# Altium PCB х__логия_v25.PcbDoc (part 3 of 3)
Units mm, origin at the board's own origin, x right, y up, seen from the top; angles counter-clockwise.
Board outline 106.4 x 100 mm, 4 copper layers (Top Layer, Layer 1, Layer 2, Bottom Layer), stack 1.583 mm thick; 273 components, 180 nets, 886 pads, 616 vias.
Unrouted connection lines stored in the file: 69.
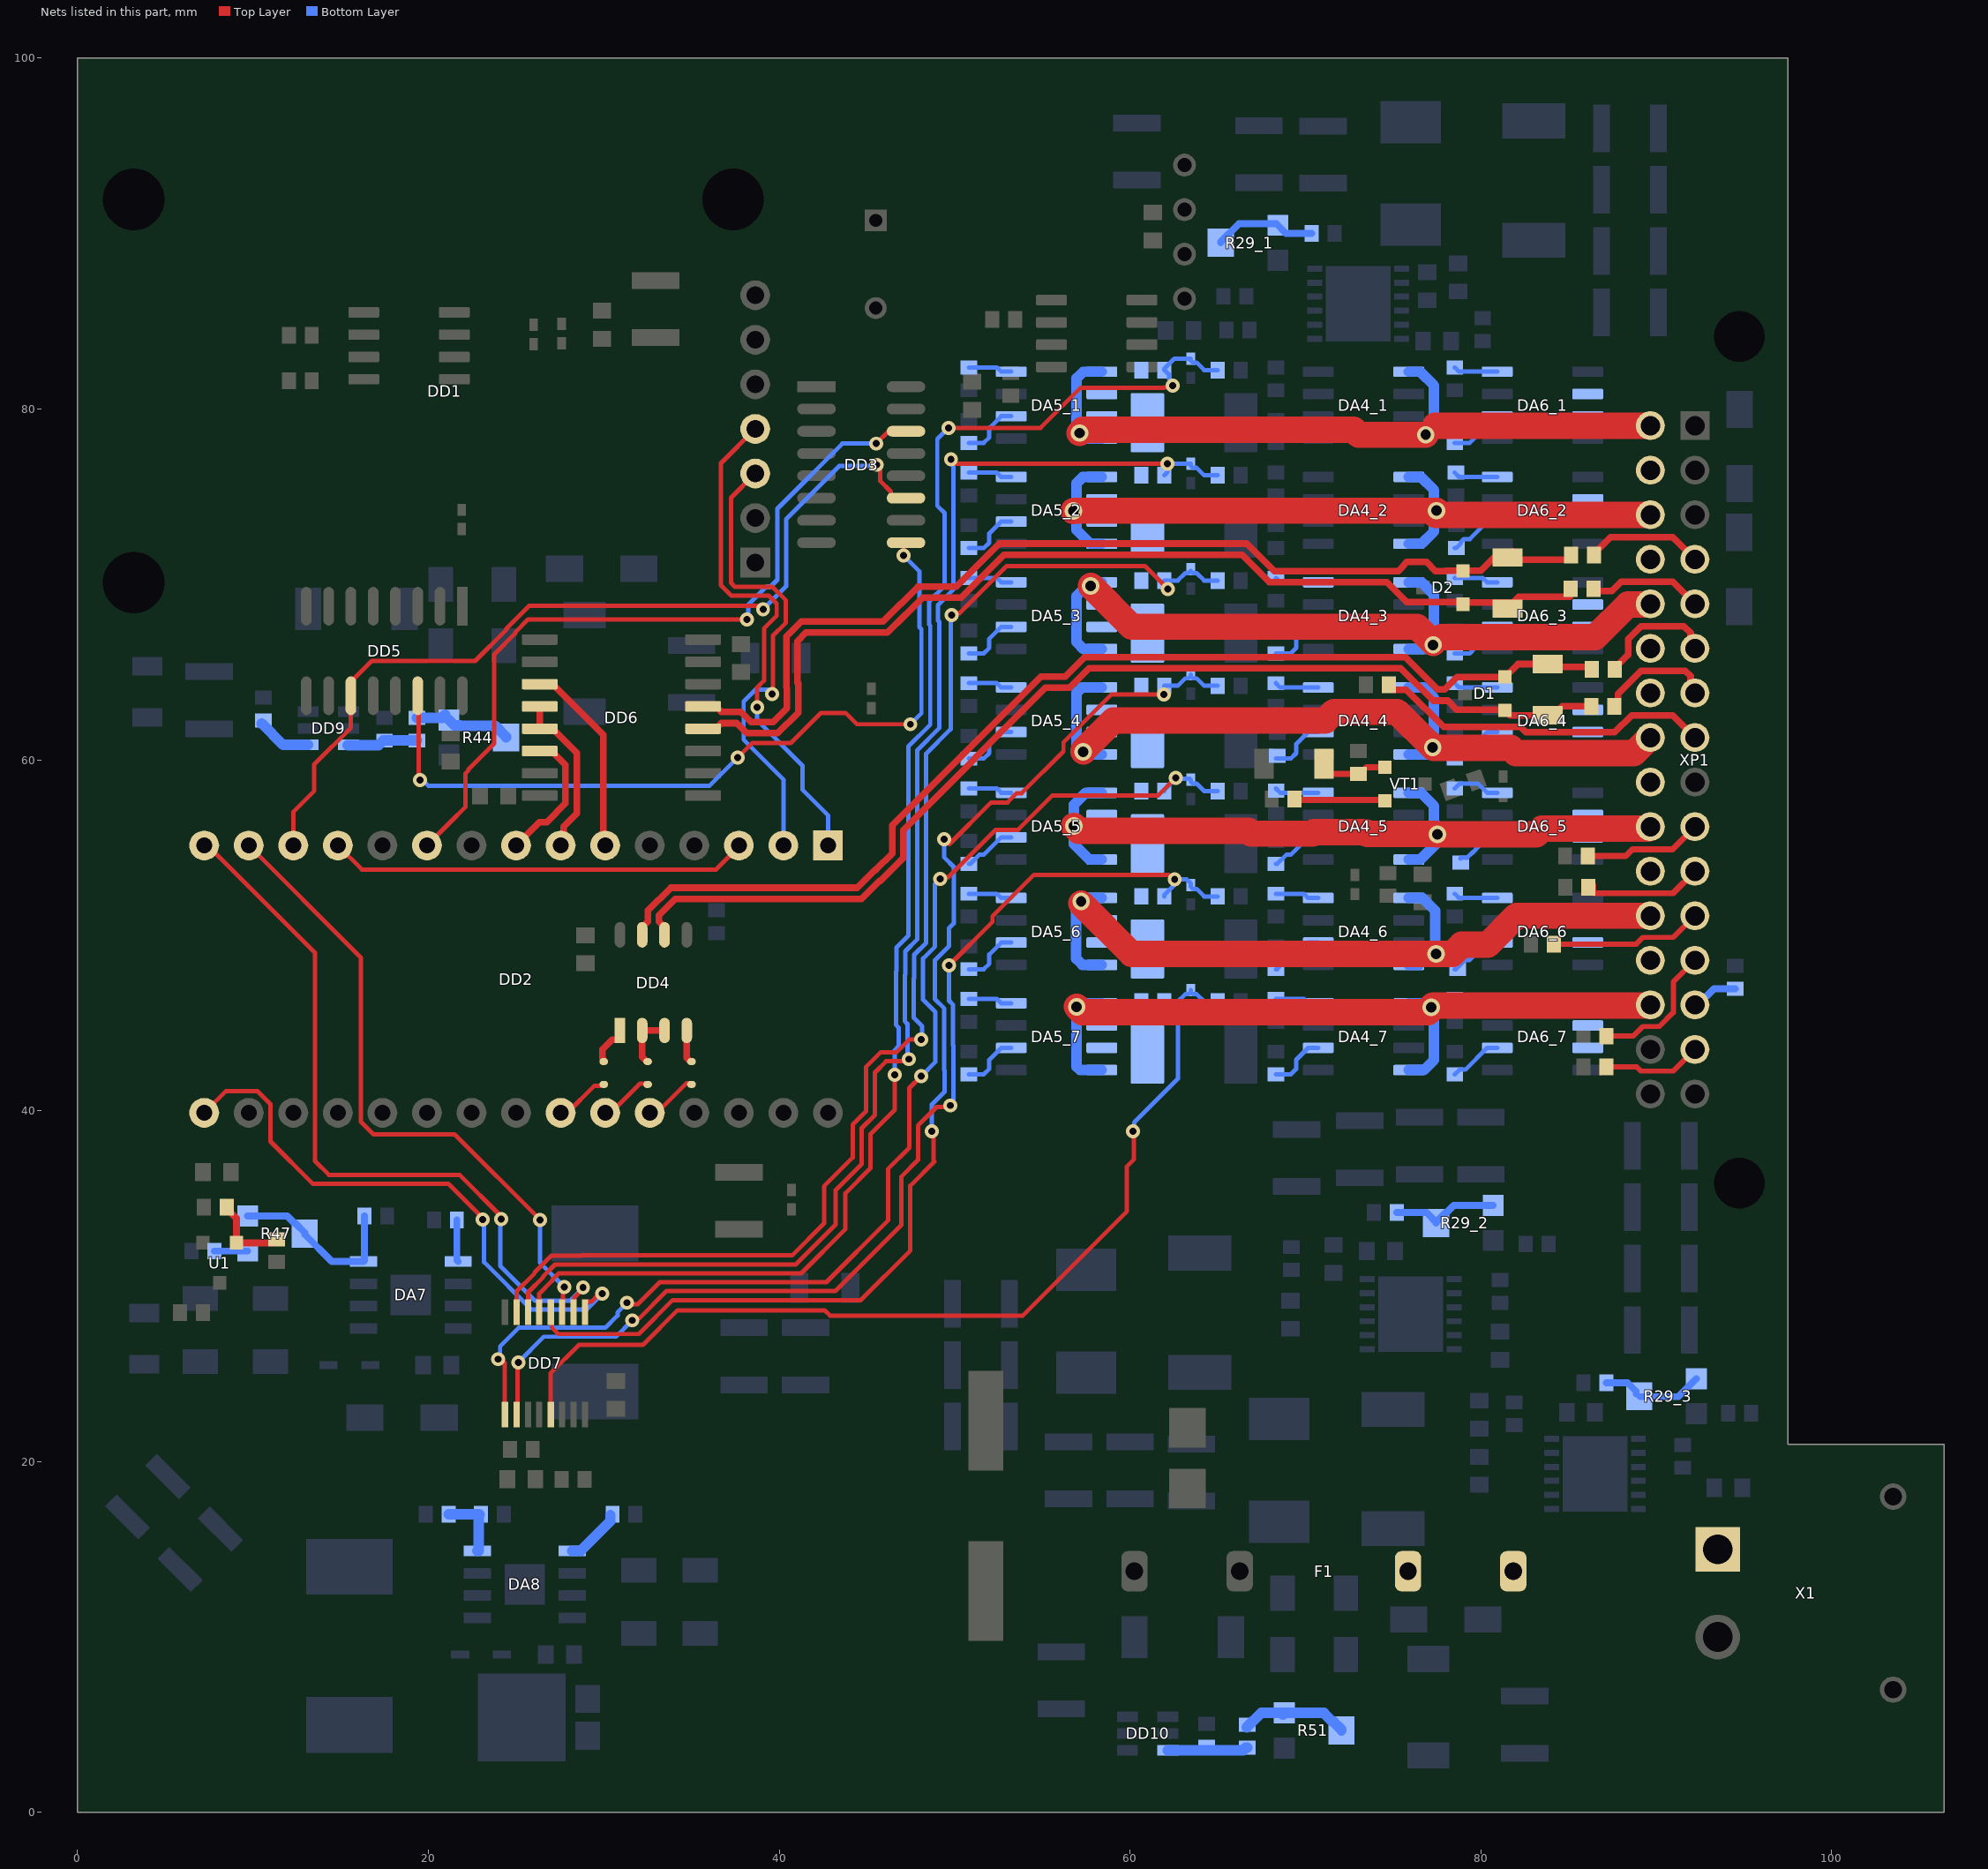
[diagram p5: the nets of this part, all layers, seen from the top]

## Via types
v1: diameter 0.6, hole 0.3, Top Layer to Bottom Layer, tented both sides, 444 vias
v2: diameter 0.8, hole 0.4, Top Layer to Bottom Layer, tented both sides, 158 vias
v3: diameter 1, hole 0.6, Top Layer to Bottom Layer, tented both sides, 14 vias

## Nets (pads, with @x,y where several pads share a name; then routed paths per layer and width w, separated by ;. In a path a pad name is that pad's centre, name@x,y a point inside that pad or via, vN(x,y) a via of type N, cw(c..) or ccw(c..) an arc to the next point about the centre after c; other vN are vias at no path point) (continued)
NetDA4_3_2: DA4_3.2 R32_3.2 | length 3.4
  Bottom Layer w0.25: R32_3.2@68.311,66.069 69.161,66.069 69.472,66.38 69.472,66.905 70.151,67.584 DA4_3.2@70.731,67.584
NetDA4_3_4: DA4_3.4 R33_3.2 | length 2.5
  Bottom Layer w0.25: R33_3.2@68.311,70.369 68.556,70.124 DA4_3.4@70.731,70.124
NetDA4_4_2: DA4_4.2 R32_4.2 | length 3.4
  Bottom Layer w0.25: R32_4.2@68.311,60.069 69.161,60.069 69.472,60.38 69.472,60.905 70.151,61.584 DA4_4.2@70.731,61.584
NetDA4_4_4: DA4_4.4 R33_4.2 | length 2.5
  Bottom Layer w0.25: R33_4.2@68.311,64.369 68.556,64.124 DA4_4.4@70.731,64.124
NetDA4_5_2: DA4_5.2 R32_5.2 | length 3
  Bottom Layer w0.25: R32_5.2@68.311,54.069 68.386,54.069 68.907,54.59 69.157,54.59 70.151,55.584 DA4_5.2@70.731,55.584
NetDA4_5_4: DA4_5.4 R33_5.2 | length 2.5
  Bottom Layer w0.25: R33_5.2@68.311,58.369 68.556,58.124 DA4_5.4@70.731,58.124
NetDA4_6_2: DA4_6.2 R32_6.2 | length 3
  Bottom Layer w0.25: R32_6.2@68.311,48.069 68.386,48.069 68.907,48.59 69.157,48.59 70.151,49.584 DA4_6.2@70.731,49.584
NetDA4_6_4: DA4_6.4 R33_6.2 | length 2.5
  Bottom Layer w0.25: R33_6.2@68.311,52.369 69.906,52.369 70.151,52.124 DA4_6.4@70.731,52.124
NetDA4_7_2: DA4_7.2 R32_7.2 | length 3.4
  Bottom Layer w0.25: R32_7.2@68.311,42.069 69.161,42.069 69.472,42.38 69.472,42.905 70.151,43.584 DA4_7.2@70.731,43.584
NetDA4_7_4: DA4_7.4 R33_7.2 | length 2.5
  Bottom Layer w0.25: R33_7.2@68.311,46.369 69.906,46.369 70.151,46.124 DA4_7.4@70.731,46.124
NetDA5_1_2: DA5_1.2 R34_1.2 | length 3.4
  Bottom Layer w0.25: R34_1.2@50.811,78.069 51.661,78.069 51.972,78.38 51.972,78.905 52.651,79.584 DA5_1.2@53.231,79.584
NetDA5_1_4: DA5_1.4 R35_1.2 | length 2.5
  Bottom Layer w0.25: R35_1.2@50.811,82.369 52.406,82.369 52.651,82.124 DA5_1.4@53.231,82.124
NetDA5_1_6: DA5_1.6 DA5_1.7 R36_1.1 R37_1.2
NetDA5_2_2: DA5_2.2 R34_2.2 | length 3.4
  Bottom Layer w0.25: R34_2.2@50.811,72.069 51.661,72.069 51.972,72.38 51.972,72.905 52.651,73.584 DA5_2.2@53.231,73.584
NetDA5_2_4: DA5_2.4 R35_2.2 | length 2.5
  Bottom Layer w0.25: R35_2.2@50.811,76.369 52.406,76.369 52.651,76.124 DA5_2.4@53.231,76.124
NetDA5_2_6: DA5_2.6 DA5_2.7 R36_2.1 R37_2.2
NetDA5_3_2: DA5_3.2 R34_3.2 | length 3.4
  Bottom Layer w0.25: R34_3.2@50.811,66.069 51.661,66.069 51.972,66.38 51.972,66.905 52.651,67.584 DA5_3.2@53.231,67.584
NetDA5_3_4: DA5_3.4 R35_3.2 | length 2.5
  Bottom Layer w0.25: R35_3.2@50.811,70.369 52.406,70.369 52.651,70.124 DA5_3.4@53.231,70.124
NetDA5_3_6: DA5_3.6 DA5_3.7 R36_3.1 R37_3.2
NetDA5_4_2: DA5_4.2 R34_4.2 | length 3.4
  Bottom Layer w0.25: R34_4.2@50.811,60.069 51.661,60.069 51.972,60.38 51.972,60.905 52.651,61.584 DA5_4.2@53.231,61.584
NetDA5_4_4: DA5_4.4 R35_4.2 | length 2.5
  Bottom Layer w0.25: R35_4.2@50.811,64.369 52.406,64.369 52.651,64.124 DA5_4.4@53.231,64.124
NetDA5_4_6: DA5_4.6 DA5_4.7 R36_4.1 R37_4.2
NetDA5_5_2: DA5_5.2 R34_5.2 | length 3
  Bottom Layer w0.25: R34_5.2@50.811,54.069 50.886,54.069 51.407,54.59 51.657,54.59 52.651,55.584 DA5_5.2@53.231,55.584
NetDA5_5_4: DA5_5.4 R35_5.2 | length 2.5
  Bottom Layer w0.25: R35_5.2@50.811,58.369 52.406,58.369 52.651,58.124 DA5_5.4@53.231,58.124
NetDA5_5_6: DA5_5.6 DA5_5.7 R36_5.1 R37_5.2
NetDA5_6_2: DA5_6.2 R34_6.2 | length 3.4
  Bottom Layer w0.25: R34_6.2@50.811,48.069 51.661,48.069 51.972,48.38 51.972,48.905 52.651,49.584 DA5_6.2@53.231,49.584
NetDA5_6_4: DA5_6.4 R35_6.2 | length 2.5
  Bottom Layer w0.25: R35_6.2@50.811,52.369 52.406,52.369 52.651,52.124 DA5_6.4@53.231,52.124
NetDA5_6_6: DA5_6.6 DA5_6.7 R36_6.1 R37_6.2
NetDA5_7_2: DA5_7.2 R34_7.2 | length 3.4
  Bottom Layer w0.25: R34_7.2@50.811,42.069 51.661,42.069 51.972,42.38 51.972,42.905 52.651,43.584 DA5_7.2@53.231,43.584
NetDA5_7_4: DA5_7.4 R35_7.2 | length 2.5
  Bottom Layer w0.25: R35_7.2@50.811,46.369 52.406,46.369 52.651,46.124 DA5_7.4@53.231,46.124
NetDA5_7_6: DA5_7.6 DA5_7.7 R36_7.1 R37_7.2
NetDA6_1_2: DA6_1.2 R38_1.2 | length 3.4
  Bottom Layer w0.25: R38_1.2@78.511,78.069 79.361,78.069 79.672,78.38 79.672,78.905 80.351,79.584 DA6_1.2@80.931,79.584
NetDA6_1_4: DA6_1.4 R39_1.2 | length 2.5
  Bottom Layer w0.25: R39_1.2@78.511,82.369 78.756,82.124 DA6_1.4@80.931,82.124
NetDA6_2_2: DA6_2.2 R38_2.2 | length 3.1
  Bottom Layer w0.25: R38_2.2@78.511,72.069 78.586,72.069 78.861,72.344 78.861,72.419 79.032,72.59 79.372,72.59 80.176,73.394 80.176,73.409 80.351,73.584 DA6_2.2@80.931,73.584
NetDA6_2_4: DA6_2.4 R39_2.2 | length 2.5
  Bottom Layer w0.25: R39_2.2@78.511,76.369 78.756,76.124 DA6_2.4@80.931,76.124
NetDA6_3_2: DA6_3.2 R38_3.2 | length 3.4
  Bottom Layer w0.25: R38_3.2@78.511,66.069 79.361,66.069 79.672,66.38 79.672,66.905 80.351,67.584 DA6_3.2@80.931,67.584
NetDA6_3_4: DA6_3.4 R39_3.2 | length 2.5
  Bottom Layer w0.25: R39_3.2@78.511,70.369 80.106,70.369 80.351,70.124 DA6_3.4@80.931,70.124
NetDA6_4_2: DA6_4.2 R38_4.2 | length 3
  Bottom Layer w0.25: R38_4.2@78.511,60.069 78.786,60.344 79.111,60.344 80.351,61.584 DA6_4.2@80.931,61.584
NetDA6_4_4: DA6_4.4 R39_4.2 | length 2.5
  Bottom Layer w0.25: R39_4.2@78.511,64.369 78.756,64.124 DA6_4.4@80.931,64.124
NetDA6_5_2: DA6_5.2 R38_5.2 | length 2.6
  Bottom Layer w0.25: R38_5.2@78.822,54.38 78.867,54.425 79.225,54.425 79.471,54.671 79.482,54.671 79.704,54.893 79.704,54.904 80.176,55.376 80.176,55.409 80.351,55.584 DA6_5.2@80.931,55.584
NetDA6_5_4: DA6_5.4 R39_5.2 | length 2.8
  Bottom Layer w0.25: R39_5.2@78.511,58.369 78.786,58.644 79.001,58.644 79.007,58.65 79.825,58.65 80.351,58.124 DA6_5.4@80.931,58.124
NetDA6_6_2: DA6_6.2 R38_6.2 | length 3
  Bottom Layer w0.25: R38_6.2@78.511,48.069 78.586,48.069 79.107,48.59 79.357,48.59 80.351,49.584 DA6_6.2@80.931,49.584
NetDA6_6_4: DA6_6.4 R39_6.2 | length 2.5
  Bottom Layer w0.25: R39_6.2@78.511,52.369 78.756,52.124 DA6_6.4@80.931,52.124
NetDA6_7_2: DA6_7.2 R38_7.2 | length 3
  Bottom Layer w0.25: R38_7.2@78.511,42.069 78.786,42.344 79.111,42.344 80.351,43.584 DA6_7.2@80.931,43.584
NetDA6_7_4: DA6_7.4 R39_7.2 | length 2.5
  Bottom Layer w0.25: R39_7.2@78.511,46.369 78.756,46.124 DA6_7.4@80.931,46.124
NetDA7_4: DA7.4 R46.1 R47.2 R47.3 | length 10.3
  Bottom Layer w0.4: R47.3@9.7,34 11.95,34 12.35,33.6 12.4,33.6 12.95,33.05 R47.2@12.95,33 12.95,32.95 14.495,31.405 DA7.4@16.3,31.405 16.35,31.455 R46.1@16.35,34
NetDA7_5: DA7.5 R45.1 | length 2.4
  Bottom Layer w0.4: R45.1@21.625,33.775 21.625,31.48 DA7.5@21.7,31.405
NetDA8_4: DA8.4 R53.1 R54.2 | length 3.8
  Bottom Layer w0.6: R53.1@21.15,17 22.9,17 R54.2@22.925,16.975 ; DA8.4@22.8,14.905 22.875,14.905 R54.2@22.875,16.875
NetDA8_5: DA8.5 R52.1 | length 3.2
  Bottom Layer w0.6: DA8.5@28.2,14.905 28.675,14.905 30.375,16.605 R52.1@30.375,16.95
NetDD1_3: DD1.3 DD2.2 | length 27.2
  Top Layer w0.25: DD1.3@38.633,76.323 37.254,74.944 37.254,70.086 37.476,69.864 39.611,69.864 40.363,69.112 40.363,67.791 39.639,67.067 39.639,63.788 v2(39.601,63.75)
  Bottom Layer w0.25: v2(39.601,63.75) 39.351,64 38.648,64 37.971,63.323 37.971,61.154 40.24,58.885 DD2.2@40.24,55.12
NetDD1_4: DD1.4 DD2.1 | length 29.3
  Top Layer w0.25: DD1.4@38.633,78.863 36.675,76.905 36.675,69.952 37.267,69.36 39.402,69.36 39.859,68.904 39.859,68.208 39.135,67.484 39.135,64.51 38.75,64.125 v2(38.75,63)
  Bottom Layer w0.25: v2(38.75,63) 38.75,62.25 41.325,59.675 41.325,58.3 42.78,56.845 DD2.1@42.78,55.12
NetDD2_6: DD2.6 DD6.3 | length 11.2
  Top Layer w0.381: DD6.3@26.35,64.315 27.075,64.315 29.975,61.415 29.975,55.225 DD2.6@30.08,55.12
NetDD2_7: DD2.7 DD6.4 DD6.5 | length 9.6
  Top Layer w0.381: DD6.4@26.35,63.045 DD6.5@26.35,61.775 26.46,61.666 27.185,61.666 28.455,60.396 28.455,56.955 27.704,56.204 27.704,55.284 DD2.7@27.54,55.12
NetDD2_8: DD2.8 DD6.6 | length 7.8
  Top Layer w0.381: DD2.8@25,55.12 26.329,56.449 26.743,56.449 27.82,57.525 27.82,59.718 27.185,60.353 27.185,60.396 27.075,60.505 DD6.6@26.35,60.505
NetDD2_10: DD2.10 DD3.14 | length 44.1
  Top Layer w0.25: DD2.10@19.92,55.12 21.231,56.431 22.121,57.321 22.121,59.235 22.3,59.414 22.3,59.475 23.75,60.925 23.75,66.01 24.946,67.206 24.946,67.268 25.681,68.003 v2(38.152,68.003) ; v2(45.525,78.025) 46.23,78.73 DD3.14@47.226,78.73
  Bottom Layer w0.25: v2(38.152,68.003) 38.152,68.055 38.225,68.129 38.225,68.828 39.261,69.864 39.49,69.864 39.892,70.266 39.892,74.317 43.6,78.025 v2(45.525,78.025)
NetDD2_13: DD2.13 DD3.11 DD5.11 | length 51.2
  Top Layer w0.25: DD2.13@12.3,55.12 12.3,57.031 13.5,58.231 13.5,59.75 15.584,61.834 15.584,64.452 16.771,65.639 22.667,65.639 24.442,67.415 24.442,67.477 25.748,68.782 38.791,68.782 38.992,68.581 v2(39.08,68.581) ; v2(45.557,76.817) 45.624,76.751 45.624,76.676 45.745,76.555 45.745,75.907 46.359,75.293 46.359,75.085 46.525,74.92 DD3.11@47.226,74.92
  Bottom Layer w0.25: v2(39.08,68.581) 40.396,69.897 40.396,73.721 43.426,76.751 45.49,76.751 v2(45.557,76.817)
NetDD2_14: DD2.14 DD7.11 | length 37.3
  Top Layer w0.25: DD2.14@9.419,55.456 16.151,48.724 16.151,39.371 16.871,38.651 21.497,38.651 v2(26.369,33.779) ; DD7.11@27.615,28.521 27.668,28.574 27.668,29.868 v2(27.75,29.95)
  Bottom Layer w0.25: v2(26.369,33.779) 26.369,31.328 27.747,29.95 v2(27.75,29.95)
NetDD2_15: DD2.15 DD7.10 | length 42.9
  Top Layer w0.25: DD2.15@7.325,55.215 13.529,49.011 13.529,37.146 14.329,36.346 21.779,36.346 24.128,33.997 24.128,33.848 v2(24.157,33.819) ; DD7.10@28.276,28.521 28.328,28.574 28.328,29.364 28.818,29.853 v2(28.818,29.93)
  Bottom Layer w0.25: v2(24.157,33.819) 24.097,33.759 24.097,31.154 26.08,29.171 28.091,29.171 28.818,29.898 v2(28.818,29.93)
NetDD2_16: DD2.16 DD7.9 | length 33.1
  Top Layer w0.25: DD2.16@7.22,39.88 8.449,41.109 10.269,41.109 11,40.378 11,38.25 13.408,35.842 21.133,35.842 23.104,33.871 v2(23.104,33.798) ; DD7.9@28.936,28.521 28.936,29.058 28.989,29.111 29.291,29.111 29.65,29.47 29.813,29.47 v2(29.918,29.575)
  Bottom Layer w0.25: v2(23.104,33.798) 23.175,33.726 23.175,31.363 25.871,28.667 29.01,28.667 v2(29.918,29.575)
NetDD2_24: DD2.24 SB1.2 | length 3.1
  Top Layer w0.25: DD2.24@27.54,39.88 27.922,39.88 29.467,41.425 29.834,41.425 29.909,41.5 SB1.2@30,41.5
NetDD2_25: DD2.25 SB2.2 | length 3.1
  Top Layer w0.25: DD2.25@30.08,39.88 30.405,39.88 32.075,41.55 32.294,41.55 32.315,41.529 32.471,41.529 SB2.2@32.5,41.5
NetDD2_26: DD2.26 SB3.2 | length 3.1
  Top Layer w0.25: DD2.26@32.62,39.88 33.012,39.88 33.425,40.293 33.44,40.293 34.722,41.575 34.921,41.575 34.921,41.569 34.991,41.5 SB3.2@35,41.5
NetDD3_9: DD3.9 DD5.14 | length 46
  Top Layer w0.25: DD5.14@19.394,63.654 19.459,63.588 19.459,58.916 v2(19.525,58.85) ; v2(37.625,60.125) 38.451,60.951 40.654,60.951 42.382,62.679 43.781,62.679 44.432,62.028 v2(47.478,62.028) ; v2(47.082,71.657) 47.082,72.236 DD3.9@47.226,72.38
  Bottom Layer w0.25: v2(19.525,58.85) 19.674,58.85 20.011,58.513 36.013,58.513 v2(37.625,60.125) ; v2(47.082,71.657) 47.984,70.755 47.984,67.574 48.106,67.451 48.106,62.656 v2(47.478,62.028)
NetDD4_1: DD4.1 SB1.1 | length 2.4
  Top Layer w0.381: SB1.1@30,42.8 29.955,42.8 29.946,42.809 29.946,43 29.931,43.016 29.931,43.502 30.469,44.04 30.81,44.04 30.92,44.15 DD4.1@30.92,44.575
NetDD4_2: DD4.2 DD4.3 SB2.1 | length 3.2
  Top Layer w0.381: SB2.1@32.5,42.8 32.455,42.8 32.19,43.065 DD4.2@32.19,44.575 DD4.3@33.46,44.575
NetDD4_4: DD4.4 SB3.1 | length 1.9
  Top Layer w0.381: DD4.4@34.73,44.575 34.73,43.025 34.955,42.8 SB3.1@35,42.8
NetDD9_3: DD9.3 R41.1 R43.2 | length 4.1
  Bottom Layer w0.6: DD9.3@15.4,60.825 17.15,60.825 17.425,61.1 R43.2@19.35,61.1
NetDD9_4: DD9.4 R42.1 | length 3.2
  Bottom Layer w0.6: R42.1@10.5,62.075 11.725,60.85 DD9.4@13.15,60.85
NetDD10_3: DD10.3 R49.1 R50.2 | length 4.6
  Bottom Layer w0.6: DD10.3@62.15,3.55 66.45,3.55 66.6,3.7 R50.2@66.675,3.7
NetF1_1: F1.1 X1.P
NetR2_1: R2.1 VT1.2 | length 5.2
  Top Layer w0.35: R2.1@69.375,57.775 69.428,57.722 74.473,57.722 VT1.2@74.525,57.67
NetR4_1: R4.1 R10.2 U1.1 | length 4.6
  Top Layer w0.4: R4.1@8.5,34.5 8.5,34.425 9.055,33.87 U1.1@9.055,32.475 11.15,32.475 R10.2@11.35,32.675
NetR9_2: R9.2 XP1.A8 | length 19.5
  Top Layer w0.381: R9.2@74.75,64.275 74.75,64.21 74.959,64 75.752,64 77.877,61.875 82.258,61.875 82.559,61.574 82.779,61.574 82.783,61.57 87.624,61.57 88.593,62.539 90.93,62.539 XP1.A8@92.2,61.27
NetR11_2: R11.2 VD3.1 VT1.1 | length 4
  Top Layer w0.35: VD3.1@71.055,59.775 71.055,59.58 71.435,59.2 R11.2@73.025,59.2 73.1,59.2 73.475,59.575 VT1.1@74.525,59.575
NetR12_2: R12.2 XP1.A10 | length 6.8
  Top Layer w0.35: R12.2@86.1,54.525 88.254,54.525 88.633,54.904 90.914,54.904 XP1.A10@92.2,56.19
NetR13_2: R13.2 XP1.A11 | length 6.8
  Top Layer w0.35: R13.2@86.4,52.894 86.4,52.455 86.459,52.396 90.946,52.396 XP1.A11@92.2,53.65
NetR14_2: R14.2 XP1.A12 | length 8.7
  Top Layer w0.3: R14.2@84.15,49.5 88.852,49.5 89.233,49.881 90.971,49.881 XP1.A12@92.2,51.11
NetR16_2: R16.2 XP1.A13 | length 7.9
  Top Layer w0.3: R16.2@87.15,44.25 88.682,44.25 89.233,44.801 90.169,44.801 90.971,45.603 90.971,47.341 XP1.A13@92.2,48.57
NetR17_2: R17.2 XP1.A14 | length 2.7
  Bottom Layer w0.4: XP1.A14@92.2,46.03 92.375,46.03 93.295,46.95 R17.2@94.5,46.95
NetR18_2: R18.2 XP1.A15 | length 5.7
  Top Layer w0.3: R18.2@87.15,42.5 88.883,42.5 89.122,42.261 90.971,42.261 XP1.A15@92.2,43.49
NetR27_1_1: R27_1.1 R29_1.1 R29_1.2 | length 5.9
  Bottom Layer w0.4: R29_1.2@65.175,89.475 65.175,89.525 66.2,90.55 68.35,90.55 68.9,90 R27_1.1@70.35,90
NetR27_2_1: R27_2.1 R29_2.1 R29_2.2 | length 6.2
  Bottom Layer w0.4: R27_2.1@75.2,34.2 76.9,34.2 R29_2.2@77.45,33.65 ; R29_2.2@77.45,33.6 R29_2.2@77.45,33.65 ; R29_2.1@80.7,34.6 78.45,34.6 78.05,34.2 78,34.2 R29_2.2@77.45,33.65
NetR27_3_1: R27_3.1 R29_3.1 R29_3.2 | length 5.7
  Bottom Layer w0.4: R27_3.1@87.15,24.5 88.35,24.5 88.85,24 R29_3.2@88.85,23.85 ; R29_3.2@89.075,23.7 91.25,23.7 R29_3.1@92.275,24.725
NetR43_1: R43.1 R44.2 R44.3 | length 5.4
  Bottom Layer w0.6: R43.1@19.35,62.4 20.775,62.4 R44.3@20.947,62.572 ; R44.3@21.175,62.275 21.475,61.975 21.801,61.975 21.826,61.95 23.8,61.95 24.425,61.325 R44.2@24.425,61.275
NetR47_1: R47.1 R48.2 | length 1.9
  Bottom Layer w0.4: R48.2@7.8,32 R47.1@9.7,32
NetR50_1: R50.1 R51.2 R51.3 | length 6.3
  Bottom Layer w0.6: R50.1@66.65,4.85 67.475,5.675 R51.3@68.8,5.675 ; R51.3@68.725,5.575 68.825,5.675 71.05,5.675 71.55,5.175 71.6,5.175 72.05,4.725 R51.2@72.05,4.675
panel_1: DA4_1.5 DA4_1.8 DA5_1.5 DA5_1.8 DA6_1.6 DA6_1.7 XP1.B1 XP1.B2 | length 44.4
  Top Layer w1.5: v3(57.128,78.629) 57.307,78.808 72.749,78.808 73.028,78.529 v3(76.854,78.529) ; 77.4,79.05 XP1.B1@89.66,79.05
  Bottom Layer w0.6: v3@56.982,78.483 57.151,78.314 DA5_1.8@58.391,78.314 ; v3(57.128,78.629) 57.128,78.737 56.957,78.908 56.957,81.754 57.326,82.124 DA5_1.5@58.391,82.124 ; DA4_1.8@75.891,78.314 76.892,78.314 76.854,78.353 76.854,78.627 77.325,79.098 77.325,81.34 76.541,82.124 DA4_1.5@75.891,82.124
panel_2: DA4_2.5 DA4_2.8 DA5_2.5 DA5_2.8 DA6_2.6 DA6_2.7 XP1.B3 XP1.B4 | length 44.9
  Top Layer w1.5: v3(56.775,74.179) 56.8,74.204 v3(77.479,74.204) ; v3@77.423,73.97 XP1.B3@89.66,73.97
  Bottom Layer w0.6: DA5_2.8@58.391,72.314 57.741,72.314 56.957,73.098 56.957,73.785 56.775,73.967 56.775,74.183 56.95,74.358 56.95,75.773 57.301,76.124 DA5_2.5@58.391,76.124 ; DA4_2.8@75.891,72.314 76.614,72.314 77.325,73.025 77.325,75.375 76.576,76.124 DA4_2.5@75.891,76.124
panel_3: DA4_3.5 DA4_3.8 DA5_3.5 DA5_3.8 DA6_3.6 DA6_3.7 XP1.B5 XP1.B6 | length 46
  Top Layer w1.5: v3(57.761,69.92) 60.097,67.584 76.366,67.584 v3@77.279,66.671 ; 77.763,66.989 86.509,66.989 88.381,68.861 89.631,68.861 XP1.B5@89.66,68.89
  Bottom Layer w0.6: DA5_3.8@58.391,66.314 57.351,66.314 56.957,66.708 56.957,69.34 57.369,69.751 57.369,70.016 57.476,70.124 DA5_3.5@58.391,70.124 ; DA4_3.8@75.891,66.314 77.136,66.314 77.279,66.457 v3(77.279,66.553) ; DA4_3.5@75.891,70.124 76.613,70.124 77.325,69.412 v3@77.325,66.411
panel_4: DA4_4.5 DA4_4.8 DA5_4.5 DA5_4.8 DA6_4.6 DA6_4.7 XP1.B7 XP1.B8 | length 47.5
  Top Layer w1.5: v3(57.334,60.466) 57.334,60.534 59.048,62.248 71.136,62.248 71.625,62.737 75.22,62.737 v3(77.254,60.703) 77.254,60.746 77.064,60.936 77.32,60.68 81.698,60.68 81.994,60.385 82.059,60.385 82.064,60.38 82.284,60.38 82.288,60.376 88.719,60.376 89.613,61.27 XP1.B8@89.66,61.27
  Bottom Layer w0.6: v3@57.334,60.314 DA5_4.8@58.391,60.314 ; v3(57.334,60.466) 57.267,60.466 57.155,60.578 56.957,60.776 56.957,63.827 57.254,64.124 DA5_4.5@58.391,64.124 ; DA4_4.8@75.891,60.314 76.865,60.314 77.325,60.774 77.325,63.539 76.74,64.124 DA4_4.5@75.891,64.124